# Altium PCB TMS320F28379D_Interfaz_.PcbDoc (part 2 of 5)
Units mil, origin at the board's own origin, x right, y up, seen from the top; angles counter-clockwise.
Board outline 7050 x 6150 mil, 4 copper layers (Top Layer, GND plane, Power supply plane, Bottom Layer), stack 30.634 mil thick; 614 components, 361 nets, 2002 pads, 627 vias.
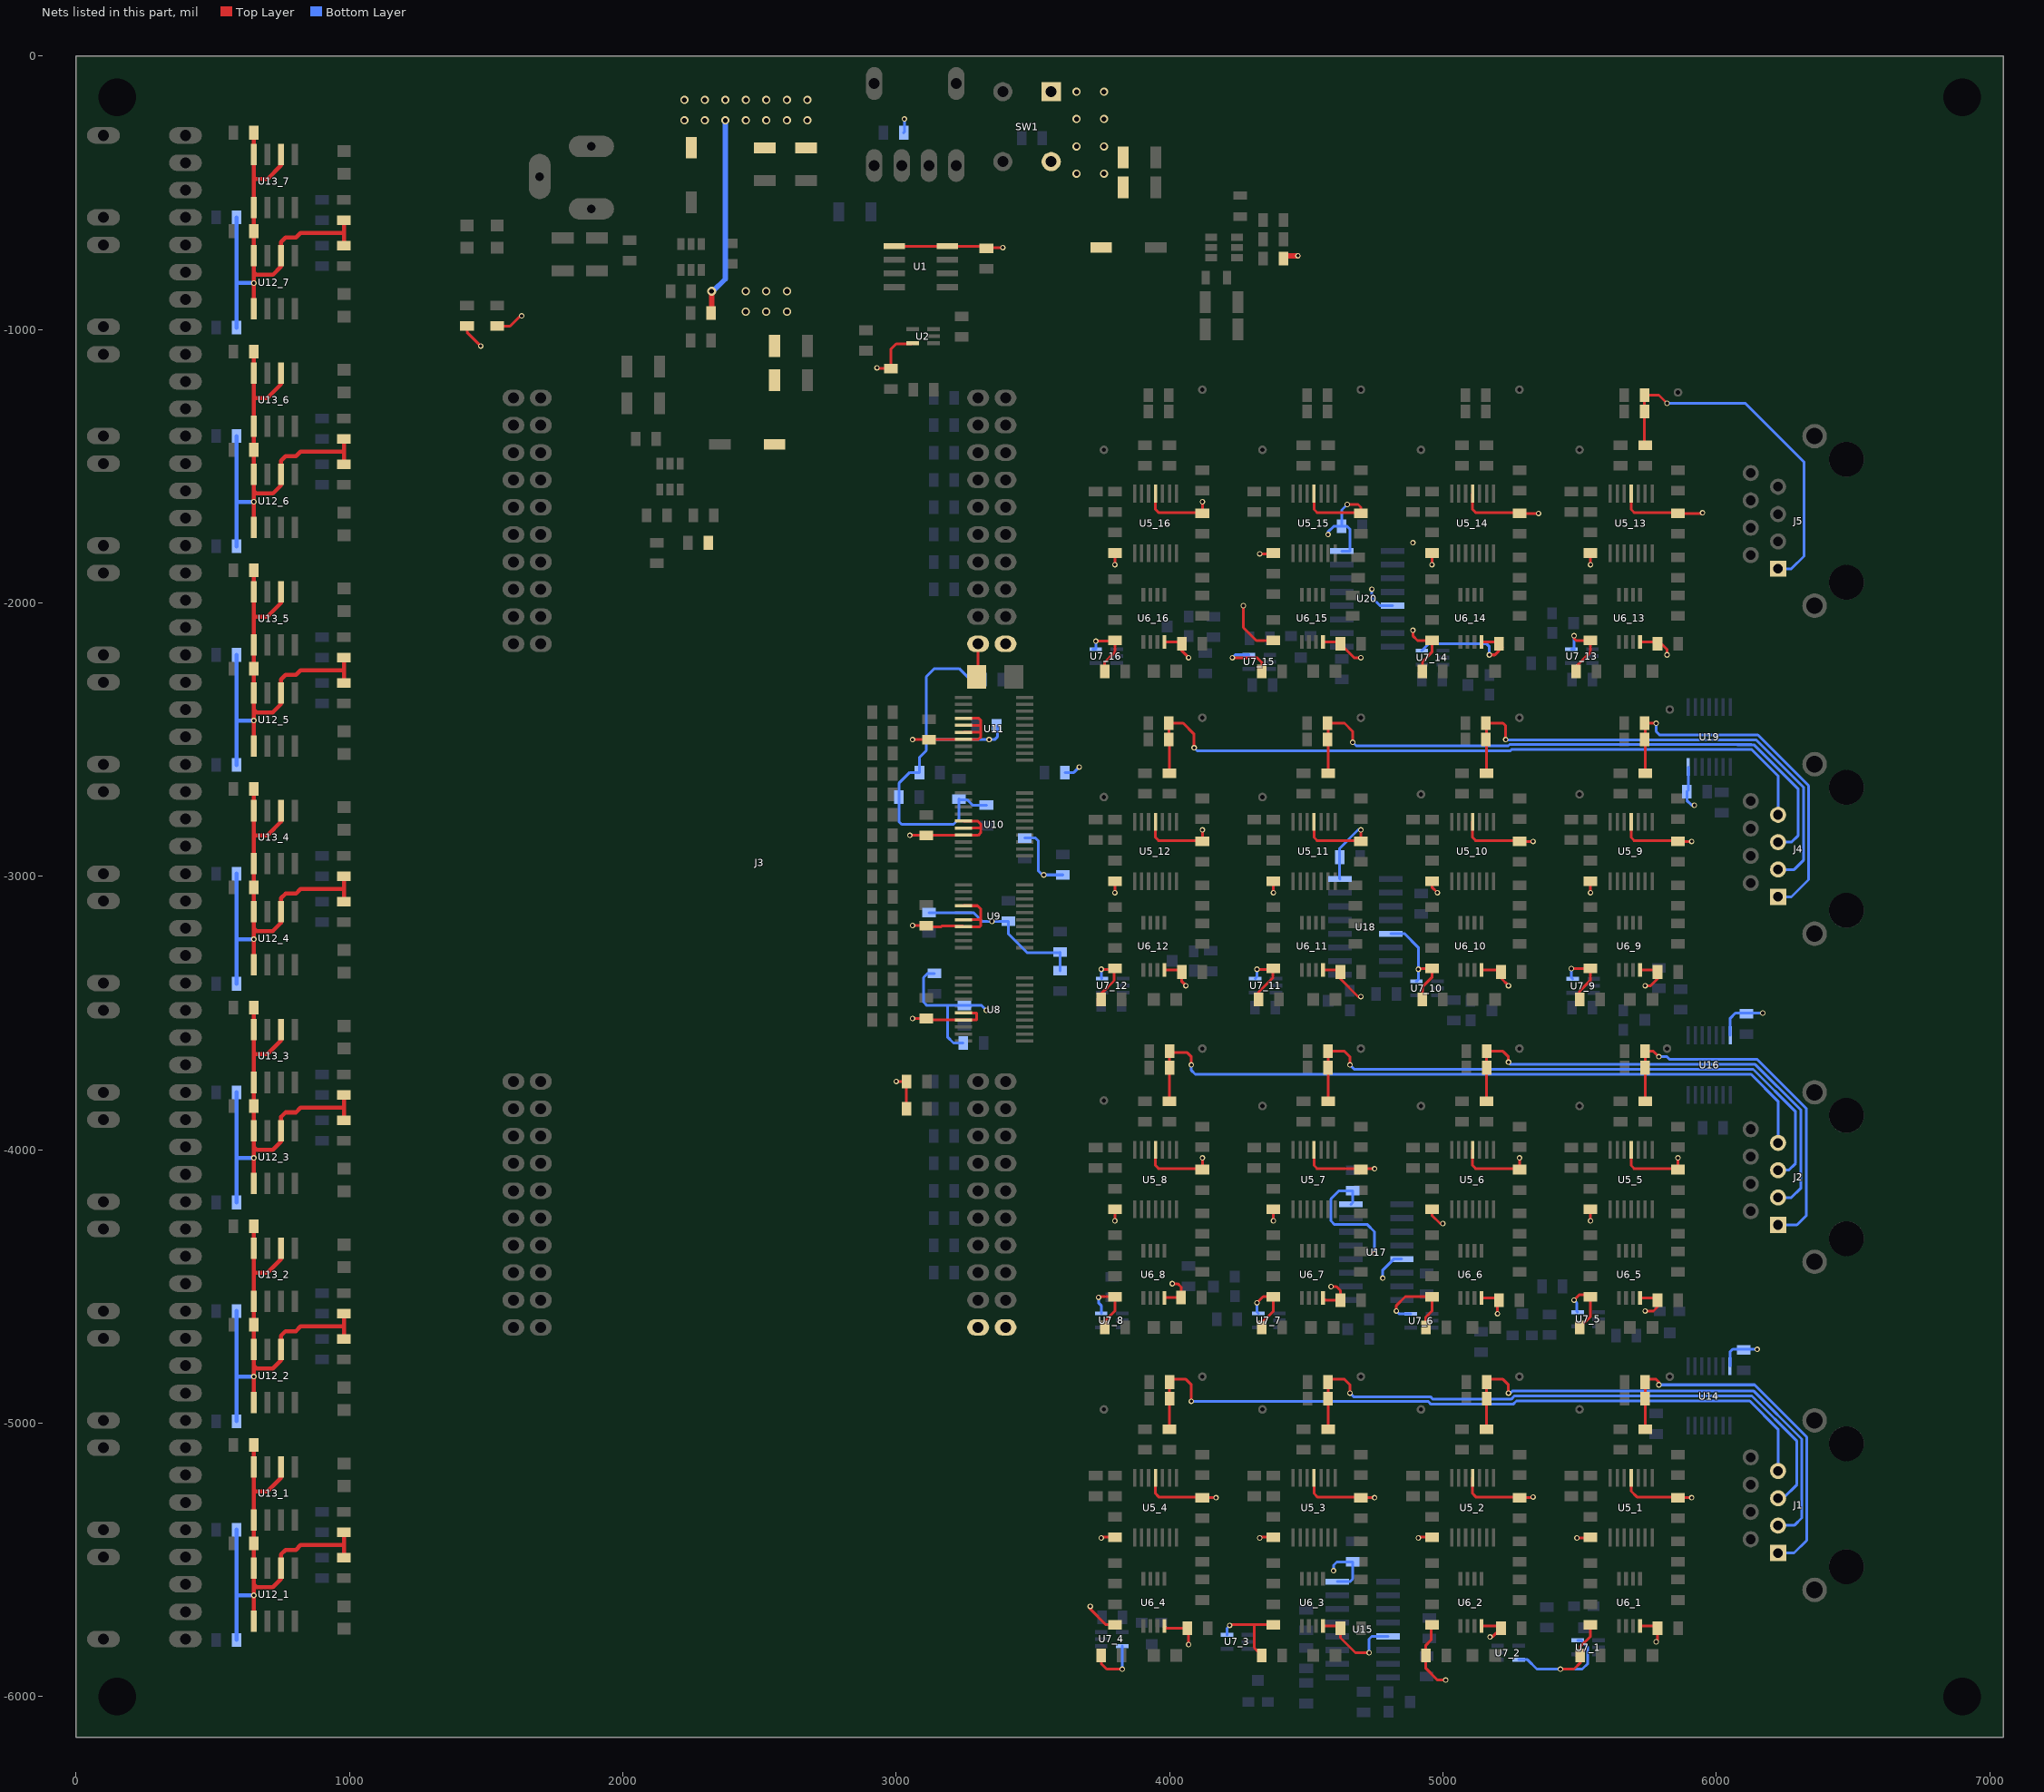
[diagram p4: the nets of this part, all layers, seen from the top]

## Components (designator, comment, footprint, x,y, rotation, side; value= is the part's Value field where it differs from the comment) (continued)
R83 "Resistor 0805" "Resistor 0805" 4710,-6020 r270 bottom value=2.2k
R84 "Resistor 0805" "Resistor 0805" 4500,-5988.4 r90 bottom value=2.2k
R85 "Resistor 0805" "Resistor 0805" 3790,-5710 r0 bottom value=2.2k
R86 "Resistor 0805" "Resistor 0805" 5870,-3450 r90 bottom value=2.2k
R87 "Resistor 0805" "Resistor 0805" 5670,-4680 r0 bottom value=2.2k
R88 "Resistor 0805" "Resistor 0805" 5390,-4640 r270 bottom value=2.2k
R89 "Resistor 0805" "Resistor 0805" 5140,-4702.6 r270 bottom value=2.2k
R90 "Resistor 0805" "Resistor 0805" 6020,-2730 r90 bottom value=2.2k
R91 "Resistor 0805" "Resistor 0805" 4070,-4462.6 r90 bottom value=2.2k
R92 "Resistor 0805" "Resistor 0805" 4920,-3100 r90 bottom value=2.2k
R93 "Resistor 0805" "Resistor 0805" 5040,-3490 r270 bottom value=2.2k
R94 "Resistor 0805" "Resistor 0805" 5790,-3372.6 r90 bottom value=2.2k
R95 "Resistor 0805" "Resistor 0805" 4150,-3310 r90 bottom value=2.2k
R96 "Resistor 0805" "Resistor 0805" 5360,-2220 r0 bottom value=2.2k
R97 "Resistor 0805" "Resistor 0805" 4630,-2242.6 r90 bottom value=2.2k
R98 "Resistor 0805" "Resistor 0805" 4330,-2130 r0 bottom value=2.2k
R99 "Resistor 0805" "Resistor 0805" 4160,-2087.4 r90 bottom value=2.2k
R100 "Resistor 0805" "Resistor 0805" 3497.4,-300 r180 bottom value=2.2k
R101 "Resistor 0805" "Resistor 0805" 4380,-600 r0 top value=10k
R102 "Resistor 0805" "Resistor 0805" 4380,-740 r0 top value="56k / 68k"
R103 "Resistor 0805" "Resistor 0805" 4380,-670 r180 top value="10k / 12k"
Rm2_1 "Resistor 0805" "Resistor 0805" 5702.6,-4910 r0 top value=220 (schematic designator Rm2)
Rm2_2 "Resistor 0805" "Resistor 0805" 5122.6,-4910 r0 top value=220 (schematic designator Rm2)
Rm2_3 "Resistor 0805" "Resistor 0805" 4542.6,-4910 r0 top value=220 (schematic designator Rm2)
Rm2_4 "Resistor 0805" "Resistor 0805" 3962.6,-4910 r0 top value=220 (schematic designator Rm2)
Rm2_5 "Resistor 0805" "Resistor 0805" 5702.6,-3700 r0 top value=220 (schematic designator Rm2)
Rm2_6 "Resistor 0805" "Resistor 0805" 5122.6,-3700 r0 top value=220 (schematic designator Rm2)
Rm2_7 "Resistor 0805" "Resistor 0805" 4542.6,-3700 r0 top value=220 (schematic designator Rm2)
Rm2_8 "Resistor 0805" "Resistor 0805" 3962.6,-3640 r0 top value=220 (schematic designator Rm2)
Rm2_9 "Resistor 0805" "Resistor 0805" 5700,-2500 r0 top value=220 (schematic designator Rm2)
Rm2_10 "Resistor 0805" "Resistor 0805" 5120,-2500 r0 top value=220 (schematic designator Rm2)
Rm2_11 "Resistor 0805" "Resistor 0805" 4540,-2500 r0 top value=220 (schematic designator Rm2)
Rm2_12 "Resistor 0805" "Resistor 0805" 3960,-2500 r0 top value=220 (schematic designator Rm2)
Rm2_13 "Resistor 0805" "Resistor 0805" 5700,-1300 r0 top value=220 (schematic designator Rm2)
Rm2_14 "Resistor 0805" "Resistor 0805" 5120,-1300 r0 top value=220 (schematic designator Rm2)
Rm2_15 "Resistor 0805" "Resistor 0805" 4540,-1300 r0 top value=220 (schematic designator Rm2)
Rm2_16 "Resistor 0805" "Resistor 0805" 3960,-1300 r0 top value=220 (schematic designator Rm2)
Rm_1 "Resistor 0805" "Resistor 0805" 5702.6,-4850 r0 top value=220 (schematic designator Rm)
Rm_2 "Resistor 0805" "Resistor 0805" 5122.6,-4850 r0 top value=220 (schematic designator Rm)
Rm_3 "Resistor 0805" "Resistor 0805" 4542.6,-4850 r0 top value=220 (schematic designator Rm)
Rm_4 "Resistor 0805" "Resistor 0805" 3962.6,-4850 r0 top value=220 (schematic designator Rm)
Rm_5 "Resistor 0805" "Resistor 0805" 5702.6,-3640 r0 top value=220 (schematic designator Rm)
Rm_6 "Resistor 0805" "Resistor 0805" 5122.6,-3640 r0 top value=220 (schematic designator Rm)
Rm_7 "Resistor 0805" "Resistor 0805" 4542.6,-3640 r0 top value=220 (schematic designator Rm)
Rm_8 "Resistor 0805" "Resistor 0805" 3962.6,-3700 r0 top value=220 (schematic designator Rm)
Rm_9 "Resistor 0805" "Resistor 0805" 5700,-2440 r0 top value=220 (schematic designator Rm)
Rm_10 "Resistor 0805" "Resistor 0805" 5120,-2440 r0 top value=220 (schematic designator Rm)
Rm_11 "Resistor 0805" "Resistor 0805" 4540,-2440 r0 top value=220 (schematic designator Rm)
Rm_12 "Resistor 0805" "Resistor 0805" 3960,-2440 r0 top value=220 (schematic designator Rm)
Rm_13 "Resistor 0805" "Resistor 0805" 5700,-1240 r0 top value=220 (schematic designator Rm)
Rm_14 "Resistor 0805" "Resistor 0805" 5120,-1240 r0 top value=220 (schematic designator Rm)
Rm_15 "Resistor 0805" "Resistor 0805" 4540,-1240 r0 top value=220 (schematic designator Rm)
Rm_16 "Resistor 0805" "Resistor 0805" 3960,-1240 r0 top value=220 (schematic designator Rm)
SW1 "Switch 4 pin" "Switch 4 pin" 3478.58,-257.95 r270 top
TRIP1 "LED" LED_0805 5725,-5850 r180 top
TRIP2 "LED" LED_0805 5150,-5850 r180 top
TRIP3 "LED" LED_0805 4566.34,-5850 r180 top
TRIP4 "LED" LED_0805 3983.66,-5850 r180 top
TRIP5 "LED" LED_0805 5725,-4650 r180 top
TRIP6 "LED" LED_0805 5150,-4650 r180 top
TRIP7 "LED" LED_0805 4558.66,-4650 r180 top
TRIP8 "LED" LED_0805 3983.66,-4650 r180 top
TRIP9 "LED" LED_0805 5725,-3450 r180 top
TRIP10 "LED" LED_0805 5150,-3450 r180 top
TRIP11 "LED" LED_0805 4566.34,-3450 r180 top
TRIP12 "LED" LED_0805 3983.66,-3450 r180 top
TRIP13 "LED" LED_0805 5725,-2250 r180 top
TRIP14 "LED" LED_0805 5150,-2250 r180 top
TRIP15 "LED" LED_0805 4566.34,-2250 r180 top
TRIP16 "LED" LED_0805 3983.66,-2250 r180 top
U1 "SN75451BDR" 8-SOIC 3090,-770 r0 top
U2 "NOR MC74VHC1G02DFT2G" SOT-553 3137,-1050 r180 top
U3 "TPS565201DDCR" 6-SOT-23 2250,-735 r270 top
U4 "TPS565201DDCR" 6-SOT-23 2172.4,-1537.24 r270 top
U5_1 "OPA4344" 14-TSSOP 5765.59,-5200 r270 top (schematic designator U5)
U5_2 "OPA4344" 14-TSSOP 5185.59,-5200 r270 top (schematic designator U5)
U5_3 "OPA4344" 14-TSSOP 4605.59,-5200 r270 top (schematic designator U5)
U5_4 "OPA4344" 14-TSSOP 4025.59,-5200 r270 top (schematic designator U5)
U5_5 "OPA4344" 14-TSSOP 5765.59,-4000 r270 top (schematic designator U5)
U5_6 "OPA4344" 14-TSSOP 5185.59,-4000 r270 top (schematic designator U5)
U5_7 "OPA4344" 14-TSSOP 4605.59,-4000 r270 top (schematic designator U5)
U5_8 "OPA4344" 14-TSSOP 4025.59,-4000 r270 top (schematic designator U5)
U5_9 "OPA4344" 14-TSSOP 5765.59,-2800 r270 top (schematic designator U5)
U5_10 "OPA4344" 14-TSSOP 5185.59,-2800 r270 top (schematic designator U5)
U5_11 "OPA4344" 14-TSSOP 4605.59,-2800 r270 top (schematic designator U5)
U5_12 "OPA4344" 14-TSSOP 4025.59,-2800 r270 top (schematic designator U5)
U5_13 "OPA4344" 14-TSSOP 5765.59,-1600 r270 top (schematic designator U5)
U5_14 "OPA4344" 14-TSSOP 5185.59,-1600 r270 top (schematic designator U5)
U5_15 "OPA4344" 14-TSSOP 4605.59,-1600 r270 top (schematic designator U5)
U5_16 "OPA4344" 14-TSSOP 4025.59,-1600 r270 top (schematic designator U5)
U6_1 "MAX962" 8-TSSOP 5721.18,-5570 r270 top (schematic designator U6)
U6_2 "MAX962" 8-TSSOP 5141.18,-5570 r270 top (schematic designator U6)
U6_3 "MAX962" 8-TSSOP 4561.18,-5570 r270 top (schematic designator U6)
U6_4 "MAX962" 8-TSSOP 3981.18,-5570 r270 top (schematic designator U6)
U6_5 "MAX962" 8-TSSOP 5721.18,-4370 r270 top (schematic designator U6)
U6_6 "MAX962" 8-TSSOP 5141.18,-4370 r270 top (schematic designator U6)
U6_7 "MAX962" 8-TSSOP 4561.18,-4370 r270 top (schematic designator U6)
U6_8 "MAX962" 8-TSSOP 3981.18,-4370 r270 top (schematic designator U6)
U6_9 "MAX962" 8-TSSOP 5721.18,-3170 r270 top (schematic designator U6)
U6_10 "MAX962" 8-TSSOP 5141.18,-3170 r270 top (schematic designator U6)
U6_11 "MAX962" 8-TSSOP 4561.18,-3170 r270 top (schematic designator U6)
U6_12 "MAX962" 8-TSSOP 3981.18,-3170 r270 top (schematic designator U6)
U6_13 "MAX962" 8-TSSOP 5721.18,-1970 r270 top (schematic designator U6)
U6_14 "MAX962" 8-TSSOP 5141.18,-1970 r270 top (schematic designator U6)
U6_15 "MAX962" 8-TSSOP 4561.18,-1970 r270 top (schematic designator U6)
U6_16 "MAX962" 8-TSSOP 3981.18,-1970 r270 top (schematic designator U6)
U7_1 "SN74LVC1G00DBVR" SOT-553 5570,-5794.41 r180 bottom (schematic designator U7)
U7_2 "SN74LVC1G00DBVR" SOT-553 5200,-5865.59 r0 bottom (schematic designator U7)
U7_3 "SN74LVC1G00DBVR" SOT-553 4287,-5774.41 r180 bottom (schematic designator U7)
U7_4 "SN74LVC1G00DBVR" SOT-553 3750,-5815.59 r0 bottom (schematic designator U7)
U7_5 "SN74LVC1G00DBVR" SOT-553 5570,-4594.41 r180 bottom (schematic designator U7)
U7_6 "SN74LVC1G00DBVR" SOT-553 4960,-4600 r180 bottom (schematic designator U7)
U7_7 "SN74LVC1G00DBVR" SOT-553 4402,-4598.82 r180 bottom (schematic designator U7)
U7_8 "SN74LVC1G00DBVR" SOT-553 3827,-4598.82 r180 bottom (schematic designator U7)
U7_9 "SN74LVC1G00DBVR" SOT-553 5552,-3375 r180 bottom (schematic designator U7)
U7_10 "SN74LVC1G00DBVR" SOT-553 4980,-3384.41 r180 bottom (schematic designator U7)
U7_11 "SN74LVC1G00DBVR" SOT-553 4390,-3374.41 r180 bottom (schematic designator U7)
U7_12 "SN74LVC1G00DBVR" SOT-553 3830,-3374.41 r180 bottom (schematic designator U7)
U7_13 "SN74LVC1G00DBVR" SOT-553 5547,-2168.82 r180 bottom (schematic designator U7)
U7_14 "SN74LVC1G00DBVR" SOT-553 5000,-2174.41 r180 bottom (schematic designator U7)
U7_15 "SN74LVC1G00DBVR" SOT-553 4367,-2190 r180 bottom (schematic designator U7)
U7_16 "SN74LVC1G00DBVR" SOT-553 3807,-2168.82 r180 bottom (schematic designator U7)
U8 "X95840" 20-TSSOP 3470,-3602.36 r180 top
U9 "X95840" 20-TSSOP 3470,-3261.18 r180 top
U10 "X95840" 20-TSSOP 3470,-2925.59 r180 top
U11 "X95840" 20-TSSOP 3470,-2575.59 r180 top
U12_1 "SN75451BDR" 8-SOIC 725,-5627 r90 top (schematic designator U12)
U12_2 "SN75451BDR" 8-SOIC 725,-4827 r90 top (schematic designator U12)
U12_3 "SN75451BDR" 8-SOIC 725,-4027 r90 top (schematic designator U12)
U12_4 "SN75451BDR" 8-SOIC 725,-3227 r90 top (schematic designator U12)
U12_5 "SN75451BDR" 8-SOIC 725,-2427 r90 top (schematic designator U12)
U12_6 "SN75451BDR" 8-SOIC 725,-1627 r90 top (schematic designator U12)
U12_7 "SN75451BDR" 8-SOIC 725,-827 r90 top (schematic designator U12)
U13_1 "SN75451BDR" 8-SOIC 725,-5257 r90 top (schematic designator U13)
U13_2 "SN75451BDR" 8-SOIC 725,-4457 r90 top (schematic designator U13)
U13_3 "SN75451BDR" 8-SOIC 725,-3657 r90 top (schematic designator U13)
U13_4 "SN75451BDR" 8-SOIC 725,-2857 r90 top (schematic designator U13)
U13_5 "SN75451BDR" 8-SOIC 725,-2057 r90 top (schematic designator U13)
U13_6 "SN75451BDR" 8-SOIC 725,-1257 r90 top (schematic designator U13)
U13_7 "SN75451BDR" 8-SOIC 725,-457 r90 top (schematic designator U13)
U14 "CD4072B" 14-TSSOP 6050,-5010 r90 bottom
U15 "LATCH" 16-SOIC 4800,-5580 r180 bottom
U16 "CD4072B" 14-TSSOP 6051.18,-3800 r90 bottom
U17 "LATCH" 16-SOIC 4850,-4200 r180 bottom
U18 "LATCH" 16-SOIC 4810,-3010 r180 bottom
U19 "CD4072B" 14-TSSOP 5897.64,-2381.5 r270 bottom
U20 "LATCH" 16-SOIC 4816,-1810 r180 bottom
U21 "TPS565201DDCR" 6-SOT-23 4200,-700 r0 top
XT1 "HFBR-1521Z" HFBR-15X1Z 2920,-400 r180 top
XT2_1 "HFBR-1521Z" HFBR-15X1Z 400,-5390 r270 top (schematic designator XT2)
XT2_2 "HFBR-1521Z" HFBR-15X1Z 400,-4590 r270 top (schematic designator XT2)
XT2_3 "HFBR-1521Z" HFBR-15X1Z 400,-3790 r270 top (schematic designator XT2)
XT2_4 "HFBR-1521Z" HFBR-15X1Z 400,-2990 r270 top (schematic designator XT2)
XT2_5 "HFBR-1521Z" HFBR-15X1Z 400,-2190 r270 top (schematic designator XT2)
XT2_6 "HFBR-1521Z" HFBR-15X1Z 400,-1390 r270 top (schematic designator XT2)
XT2_7 "HFBR-1521Z" HFBR-15X1Z 400,-590 r270 top (schematic designator XT2)
XT3_1 "HFBR-1521Z" HFBR-15X1Z 400,-5790 r270 top (schematic designator XT3)
XT3_2 "HFBR-1521Z" HFBR-15X1Z 400,-4990 r270 top (schematic designator XT3)
XT3_3 "HFBR-1521Z" HFBR-15X1Z 400,-4190 r270 top (schematic designator XT3)
XT3_4 "HFBR-1521Z" HFBR-15X1Z 400,-3390 r270 top (schematic designator XT3)
XT3_5 "HFBR-1521Z" HFBR-15X1Z 400,-2590 r270 top (schematic designator XT3)
XT3_6 "HFBR-1521Z" HFBR-15X1Z 400,-1790 r270 top (schematic designator XT3)
XT3_7 "HFBR-1521Z" HFBR-15X1Z 400,-990 r270 top (schematic designator XT3)

## Footprints (in the part's own frame and the unit in brackets; to place one, negate y for a bottom-side part, rotate by r counter-clockwise, add the part's x,y. Pads: shape width x height; smd on the part's side, far side on the other; paste and mask are expansions set on the pad)
6-SOT-23 [mm] "SOT-23-6"
  rect 1.1x0.65 smd: 1(-1.2,0.95) 2(-1.2,0) 3(-1.2,-0.95) 4(1.2,-0.95) 5(1.2,0) 6(1.2,0.95)
  silkscreen extent -1.32,-1.27 0.76,1.95, body extent -1.4,-1.38 1.4,1.52, height 1.45
8-SOIC [mil]
  rect 78x22 smd: 1(-97,75) 2(-97,25) 3(-97,-25) 4(-97,-75) 5(97,-75) 6(97,-25) 7(97,25) 8(97,75)
  silkscreen extent -94,-98 50,116, body extent -118,-96 118,96, height 59
8-TSSOP [mil] "SOIC, 8-Leads, Body 4.9x3.9mm, Pitch 1.27mm, IPC Low Density"
  rect 50x14 smd: 1(0,0) 2(0,-25.59) 3(0,-51.18) 4(0,-76.77) 5(172,-76.77) 6(172,-51.18) 7(172,-25.59) 8(172,0)
  silkscreen extent 20,-104 152,56, body extent -14,-99 184,23, height 43
14-TSSOP [mm]
  rect 1.65x0.3 smd: 1(0,0) 2(0,-0.65) 3(0,-1.3) 4(0,-1.95) 5(0,-2.6) 6(0,-3.25) 7(0,-3.9) 8(5.55,-3.9) 9(5.55,-3.25) 10(5.55,-2.6) 11(5.55,-1.95) 12(5.55,-1.3) 13(5.55,-0.65) 14(5.55,0)
  silkscreen extent -0.12,-4.5 4.33,1.01, body extent -0.44,-4.45 5.96,0.55, height 1.16
16-SOIC [mil]
  rect 86x22 smd: 1(0,0) 2(0,-50) 3(0,-100) 4(0,-150) 5(0,-200) 6(0,-250) 7(0,-300) 8(0,-350) 9(186,-350) 10(186,-300) 11(186,-250) 12(186,-200) 13(186,-150) 14(186,-100) 15(186,-50) 16(186,0)
  silkscreen extent -25,-375 215,51, body extent -28,-373 216,21, height 69
20-TSSOP [mm]
  rect 1.6x0.3 smd: 1(0,0) 2(0,-0.65) 3(0,-1.3) 4(0,-1.95) 5(0,-2.6) 6(0,-3.25) 7(0,-3.9) 8(0,-4.55) 9(0,-5.2) 10(0,-5.85) 11(5.7,-5.85) 12(5.7,-5.2) 13(5.7,-4.55) 14(5.7,-3.9) 15(5.7,-3.25) 16(5.7,-2.6) 17(5.7,-1.95) 18(5.7,-1.3) 19(5.7,-0.65) 20(5.7,0)
  silkscreen extent -0.13,-6.22 4.5,0.82, body extent -0.33,-6.17 6.07,0.33, height 1.2
1206 [mil] "RES 1206"
  rect 70x40 smd: 1(0,0) 2(0,118.11)
  silkscreen extent -35,35 35,85, body extent -31,-3 31,123, height 43
"CAP 0805"#1 [mil]
  rect 35x50 smd: 1(-37.4,0) 2(37.4,0)
  silkscreen extent -10,-26 10,26, body extent -43,-27 43,30, height 34
"CAP 0805"#2 [mil]
  rect 30x50 smd: 1(-37,5) 2(40,5)
  silkscreen extent -9,-21 11,31, body extent -41,-23 45,34, height 34
"CAP 1206" [mil]
  rect 40x80 smd: 1(-70,5) 2(50,5)
  silkscreen extent -43,-33 23,44, body extent -77,-30 57,41, height 53
"CAP TANTALIO B" [mil]
  rect 70x86.61 smd: 1(0,0) 2(135,0)
  silkscreen extent -40,-50 135,50, body extent -3,-55 133,55, height 76
"ETHERNET TH" [mm]
  rect 1.5x1.5 hole 0.89: 1(-4.445,6.35)
  round 1.5 hole 0.89: 2(-3.175,8.89) 3(-1.905,6.35) 4(-0.635,8.89) 5(0.635,6.35) 6(1.905,8.89) 7(3.175,6.35) 8(4.445,8.89)
  round 3.25 hole 3.25 unplated: None(-5.715,0) None(5.715,0)
  round 2.28 hole 1.52: S1(-7.875,2.95) S2(7.875,2.95)
  silkscreen extent -9.39,-6.48 9.39,10.29, body extent -9.02,-7.23 9.02,10.15, height 18.03
"HEADER 20PIN_TMS320F28379D" [mil]
  oval 60x80 hole 40: 1(0,-1800) 2(100,-1800) 3(200,-1800) 4(300,-1800) 5(400,-1800) 6(500,-1800) 7(600,-1800) 8(700,-1800) 9(800,-1800) 10(900,-1800) 11(900,0) 12(800,0) 13(700,0) 14(600,0) 15(500,0) 16(400,0) 17(300,0) 18(200,0) 19(100,0) 20(0,0) 21(0,-1700) 22(100,-1700) 23(200,-1700) 24(300,-1700) 25(400,-1700) 26(500,-1700) 27(600,-1700) 28(700,-1700) 29(800,-1700) 30(900,-1700) 31(900,-100) 32(800,-100) 33(700,-100) 34(600,-100) 35(500,-100) 36(400,-100) 37(300,-100) 38(200,-100) 39(100,-100) 40(0,-100) 41(2500,-1800) 42(2600,-1800) 43(2700,-1800) 44(2800,-1800) 45(2900,-1800) 46(3000,-1800) 47(3100,-1800) 48(3200,-1800) 49(3300,-1800) 50(3400,-1800) 51(3400,0) 52(3300,0) 53(3200,0) 54(3100,0) 55(3000,0) 56(2900,0) 57(2800,0) 58(2700,0) 59(2600,0) 60(2500,0) 61(2500,-1700) 62(2600,-1700) 63(2700,-1700) 64(2800,-1700) 65(2900,-1700) 66(3000,-1700) 67(3100,-1700) 68(3200,-1700) 69(3300,-1700) 70(3400,-1700) 71(3400,-100) 72(3300,-100) 73(3200,-100) 74(3100,-100) 75(3000,-100) 76(2900,-100) 77(2800,-100) 78(2700,-100) 79(2600,-100) 80(2500,-100)
  silkscreen extent -1300,-2050 3860,250, body extent -1300,-2050 3852,250, height 657
HFBR-15X1Z [mil]
  oval 60x120 hole 40: 1(0,0) 2(-100,0) 3(-200,0) 4(-300,0) 5(-300,-300) 8(0,-300)
  silkscreen extent -350,-370 50,110, body extent -350,-630 130,110, height 300
"Inductor 3.3uH" [mm]
  rect 2x1 smd: 1(0,0) 2(5.08,0)
  silkscreen extent -1.02,-3.56 6.1,3.56, body extent -0.96,-3.45 6.04,3.45, height 4
LED_0805 [mm] "Chip LED, 2-Leads, Body 2.0x1.3mm, IPC Medium Density"
  rect 1.1x1.2 smd: 1(-1.05,0) 2(1.05,0)
  silkscreen extent -1.78,-0.89 1.78,0.89, body extent -1,-0.63 1,0.62, height 0.68
"Power Jack DC" [mm]
  oval 2x4.2 hole 0.8 square: 1(0,0) 2(-5.8,0)
  oval 4.2x2 hole 0.8 square: 3(-3,-4.8)
  silkscreen extent -13.6,-4.5 0.9,4.5, body extent -13.54,-5 0.96,4.5, height 11.35
"Resistor 0805" [mil]
  rect 35x50 smd: 1(-37.4,0) 2(37.4,0)
  silkscreen extent -10,-26 10,26, body extent -39,-24 39,24, height 18
SOT23 [mm]
  rect 1.1x1 smd: D(0,0)
  rect 1.1x0.9 smd: G(-0.918,-2) S(0.889,-2.007)
  silkscreen extent -1.52,-1.52 1.52,-0.51, body extent -1.5,-2.27 1.5,0.23, height 1.06
SOT-553 [mil]
  rect 46x14 smd: 1(0,0) 2(0,-25.59) 3(0,-51.18) 4(77,-51.18) 5(77,0)
  silkscreen extent 7,-70 70,20, body extent -3,-65 80,14, height 40
"Switch 4 pin" [mil]
  rect 70x70 hole 40: 1(-127.95,88.58)
  round 70 hole 40: 2(127.95,88.58) 3(-127.95,-88.58) 4(127.95,-88.58)
  silkscreen extent -118,-118 118,118, body extent -154,-115 154,121, height 200
"TEST POINT" [mm]
  round 0.8 hole 0.4: 1(0,0)
  silkscreen extent -0.68,-0.68 0.68,0.68
